# Allegro board 1140022-KU060_PCIE_FIBER_BOARD_V001_pcb166_20240120_1835_pcb.brd (continued)
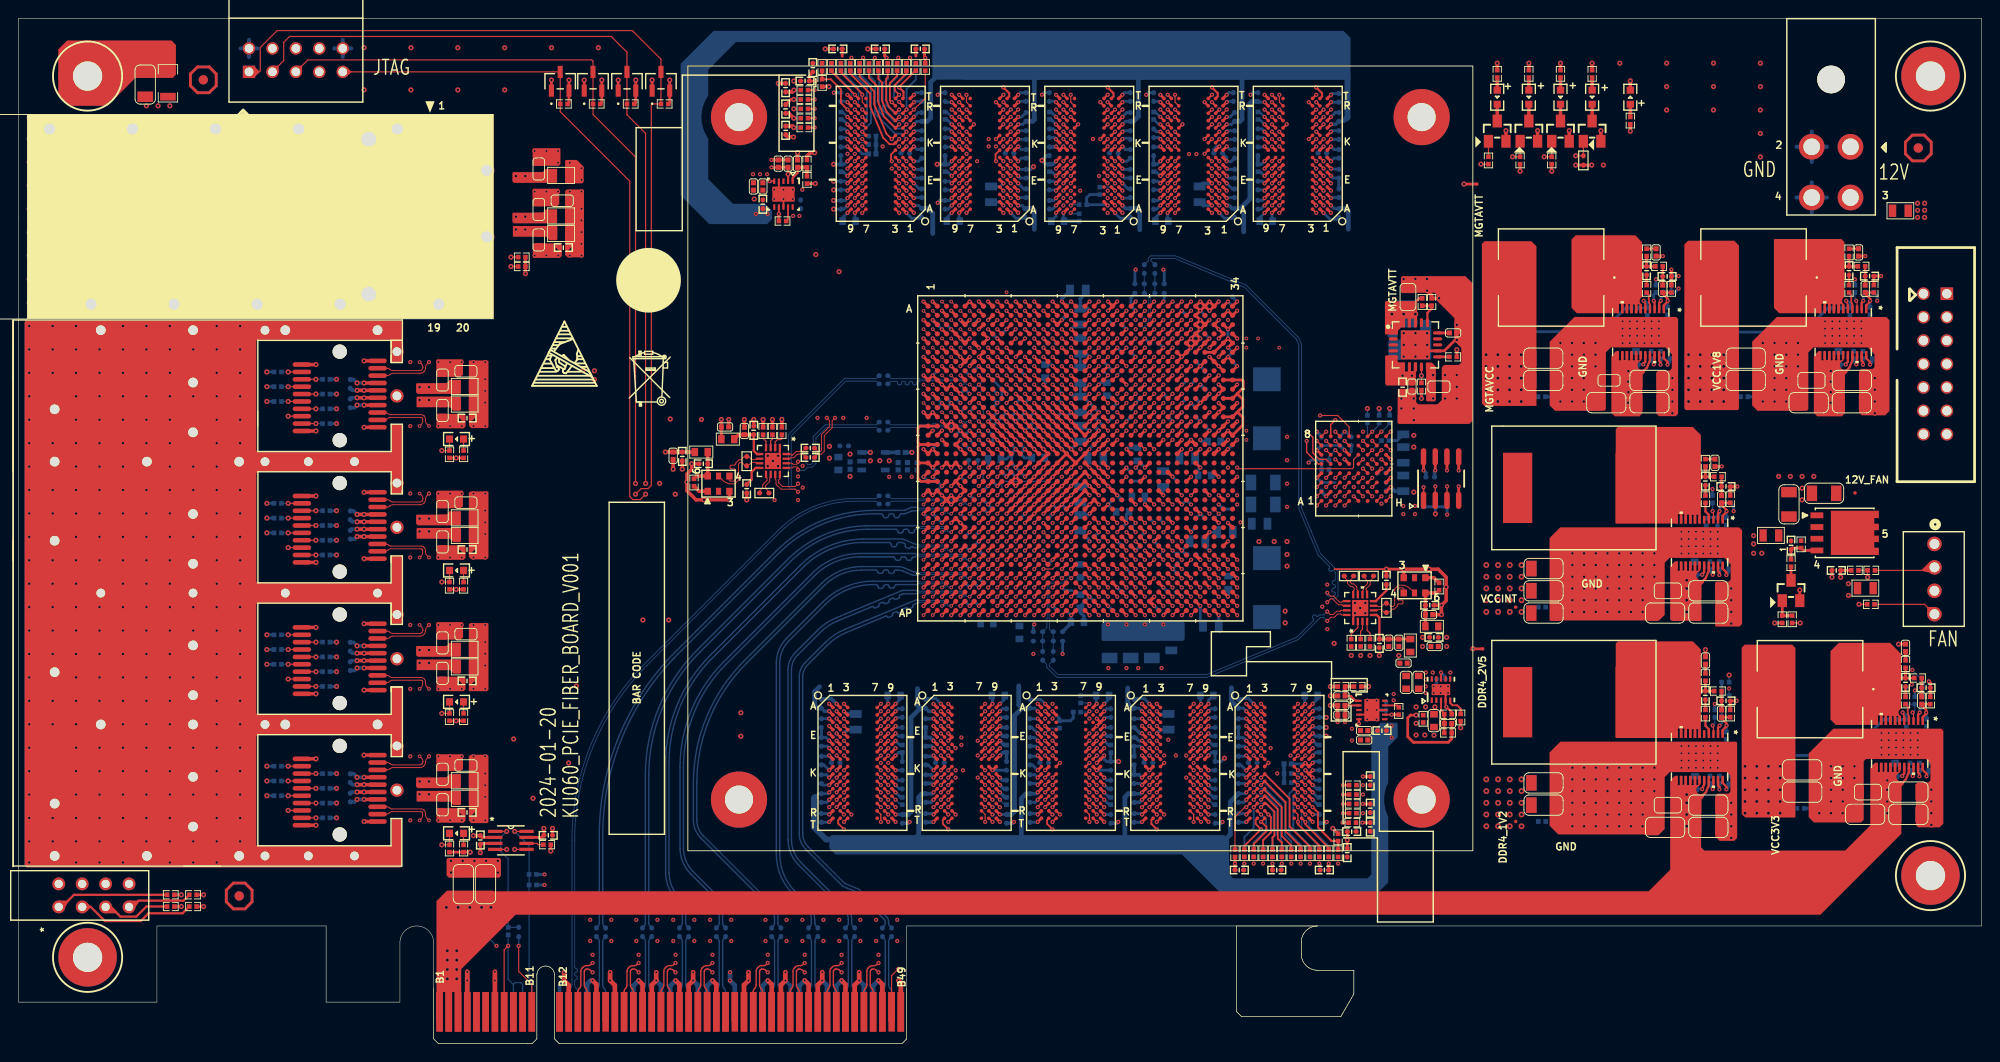
[diagram p0: board, top side]
## Routing (per net, layer and track width the routed paths; a pad name or vN(x,y) marks a point on that pad's centre or on a via; arc(x,y) is an arc through that point) (continued)
CHA_FPGA_DDR4_C1_D56: length 18.7
  TOP w0.201: U1.AN31 v1(129.11,47.45) ; U7.A3 v1(134.7,36.83)
  ART05 w0.137: v1(129.11,47.45) 129.11,47.42 129.54,46.99 129.54,46.43 131.57,44.4 131.57,41.57 131.71,41.43 132.53,41.43 132.66,41.29 132.66,41.02 132.53,40.88 131.71,40.88 131.57,40.75 131.57,40.39 131.88,40.08 132.08,40.08 132.21,40.21 132.41,40.21 132.6,40.02 132.6,39.82 132.46,39.69 132.46,39.49 132.66,39.3 132.85,39.3 132.99,39.44 133.18,39.44 133.38,39.24 133.38,39.05 133.24,38.91 133.24,38.72 133.43,38.52 133.63,38.52 133.76,38.66 133.96,38.66 134.15,38.47 134.15,38.27 134.02,38.14 134.02,37.94 134.25,37.71 134.44,37.71 134.59,37.85 134.78,37.85 134.98,37.66 134.98,37.47 134.82,37.3 134.82,36.95 v1(134.7,36.83)
CHA_FPGA_DDR4_C1_D57: length 20.1
  TOP w0.201: U1.AM32 v1(130.11,48.45) ; U7.B8 v1(139.5,36.03)
  ART05 w0.137: v1(139.5,36.03) 139.5,36.25 139.9,36.65 139.9,38.94 136.58,42.26 135.85,44.03 135.67,44.1 135.34,43.96 135.16,44.04 135.06,44.29 135.13,44.47 135.46,44.61 135.53,44.79 134.85,46.43 133.27,48.01 130.56,48.01 130.11,48.45 v1(130.11,48.45)
CHA_FPGA_DDR4_C1_D58: length 18.8
  TOP w0.201: U7.C3 v1(134.7,35.23) ; U1.AN32 v1(130.11,47.45)
  ART05 w0.137: v1(134.7,35.23) 135.78,35.23 135.92,35.37 135.92,36.13 136.05,36.27 136.46,36.27 136.6,36.41 136.6,36.68 136.46,36.82 136.05,36.82 135.92,36.96 135.92,37.39 133.2,40.11 133.2,41.83 132.93,42.1 132.74,42.1 132.63,41.99 132.43,41.99 132.24,42.18 132.24,42.38 132.35,42.49 132.35,42.68 132.11,42.93 132.11,44.55 130.56,46.1 130.56,47.31 130.42,47.45 v1(130.11,47.45)
CHA_FPGA_DDR4_C1_D59: length 20.5
  TOP w0.201: U1.AN33 v1(131.11,47.45) ; U7.C7 v1(138.7,35.23)
  ART05 w0.137: v1(138.7,35.23) 138.26,34.8 136.92,34.8 136.78,34.94 136.78,35.27 136.92,35.41 138.04,35.41 138.18,35.54 138.18,36.83 137.69,37.31 137.26,37.31 134.16,40.41 134.16,42.24 132.99,43.41 132.99,44.93 131.57,46.35 131.57,47.24 131.36,47.45 v1(131.11,47.45)
CHA_FPGA_DDR4_C1_D60: length 17.7
  TOP w0.201: U1.AP31 v1(129.11,46.45) ; U7.C2 v1(133.9,35.23)
  ART05 w0.137: v1(133.9,35.23) 134.3,35.63 134.3,37.05 132.93,38.42 132.73,38.42 132.31,37.99 132.11,37.99 131.92,38.19 131.92,38.38 132.35,38.81 132.35,39 132.15,39.2 131.96,39.2 131.53,38.77 131.34,38.77 131.14,38.96 131.14,39.16 131.57,39.58 131.57,39.78 131.11,40.23 131.11,44.22 129.11,46.23 v1(129.11,46.45)
CHA_FPGA_DDR4_C1_D61: length 19.9
  TOP w0.201: U1.AM34 v1(132.11,48.45) ; U7.C8 v1(139.5,35.23)
  ART05 w0.137: v1(132.11,48.45) 133.44,48.45 135.92,45.97 136.25,45.16 136.18,44.98 136.04,44.92 135.97,44.74 136.07,44.49 136.25,44.41 136.36,44.46 136.58,44.37 137.53,42.07 140.39,39.22 140.39,37.57 140.84,37.11 140.84,36.6 140.67,36.43 140.19,36.43 140.19,36.43 140.13,36.43 139.9,36.2 139.9,36.14 139.9,36.14 139.9,35.78 139.5,35.38 v1(139.5,35.23)
CHA_FPGA_DDR4_C1_D62: length 19.1
  TOP w0.201: U1.AP33 v1(131.11,46.45) ; U7.D3 v1(134.7,34.43)
  ART05 w0.137: v1(134.7,34.43) 136.11,34.43 136.35,34.67 136.35,35.73 136.48,35.86 137.64,35.86 137.74,35.97 137.74,36.63 137.58,36.79 137.12,36.79 133.68,40.23 133.68,42 132.56,43.12 132.56,44.71 131.11,46.16 v1(131.11,46.45)
CHA_FPGA_DDR4_C1_D63: length 21.7
  TOP w0.201: U1.AL34 v1(132.11,49.45) ; U7.D7 v1(138.7,34.43)
  ART05 w0.137: v1(132.11,49.45) 133.84,48.73 136.2,46.37 137.82,42.47 140.81,39.48 141.3,37 141.3,36.56 140.66,35.03 140.53,34.89 140.39,34.83 139.38,34.83 138.97,34.61 v1(138.7,34.43)
CHA_FPGA_DDR4_C1_D64: length 56.8
  TOP w0.201: U6.G2 v1(111.29,32.03) ; U1.AF17 v1(114.11,54.45)
  ART10 w0.137: v1(114.11,54.45) 113.75,54.45 113.61,54.31 113.61,54.13 113.44,53.95 112.09,53.95 111.99,53.85 111.99,53.52 112.09,53.42 112.39,53.42 112.85,52.96 114.44,52.96 114.58,53.1 114.58,54.27 114.72,54.41 114.98,54.41 115.11,54.27 115.11,53.24 115.24,53.11 115.43,53.11 115.62,53.29 115.62,53.84 115.75,53.98 120.32,53.98 120.62,53.67 120.62,53.12 120.76,52.98 121.48,52.98 121.62,53.12 121.62,53.75 121.84,53.98 124.48,53.98 124.61,53.84 124.61,52.06 124.45,51.9 123.63,51.9 123.49,51.76 123.49,51.48 123.63,51.35 124.45,51.35 124.61,51.19 124.61,45.21 124.16,44.76 123.97,44.76 123.57,45.16 123.22,45.16 122.13,44.07 120.55,43.02 118.11,42.01 113.31,37.21 113.08,37.21 113.04,37.25 112.82,37.25 112.52,36.96 112.52,35.81 112.34,35.63 110.26,35.63 110.08,35.46 110.08,32.84 109.86,32.29 109.86,32 110.23,31.63 111.16,31.63 111.29,31.77 v1(111.29,32.03)
CHA_FPGA_DDR4_C1_D65: length 57
  TOP w0.201: U1.AE18 v1(116.11,56.45) ; U6.F7 v1(116.09,32.83)
  ART10 w0.137: v1(116.11,56.45) 116.24,56.45 117.12,57.33 125.45,57.33 126.54,56.24 127.61,56.24 128.21,55.64 128.21,55.08 130,53.29 130,53.01 129.67,52.68 129.67,46.08 130.02,45.72 130.02,45.63 129.58,44.57 124.21,39.19 120.65,39.19 120.51,39.06 120.51,38.69 120.33,38.52 120.14,38.52 119.96,38.69 119.96,39.06 119.82,39.19 119.61,39.19 119.1,38.69 119.1,38.49 119.47,38.13 119.47,37.94 119.28,37.74 119.08,37.74 118.72,38.1 118.53,38.1 118.39,37.96 118.39,37.5 118.53,37.36 119.55,37.36 119.68,37.22 119.68,36.95 119.55,36.81 118.32,36.81 118.19,36.67 118.19,36.4 118.32,36.26 119.52,36.26 119.66,36.12 119.66,35.85 119.52,35.71 118.32,35.71 118.16,35.55 118.16,35.33 118.32,35.16 119.38,35.16 119.51,35.04 119.51,34.77 119.38,34.65 118.37,34.65 118.24,34.51 118.24,34.16 118.11,34.03 116.73,34.03 116.49,33.8 116.49,33.44 116.09,33.03 v1(116.09,32.83)
CHA_FPGA_DDR4_C1_D66: length 56.8
  TOP w0.201: U1.AF18 v1(116.11,55.45) ; U6.H3 v1(112.09,31.23)
  ART10 w0.137: v1(116.11,55.45) 116.11,55.13 116.25,54.99 123.71,54.99 123.87,54.83 123.87,54.57 124.03,54.41 124.25,54.41 124.41,54.57 124.41,54.83 124.58,54.99 125.37,54.99 125.65,54.71 125.65,51.11 125.79,50.98 126.48,50.98 126.62,50.84 126.62,46.14 126.48,46 126.25,46 126.11,45.86 126.11,45.75 125.95,45.59 125.72,45.59 125.56,45.75 125.56,45.84 125.4,46 125.21,46 125.07,45.86 125.07,44.91 124.49,44.32 123.99,44.32 123.78,44.12 123.44,44.12 123.23,44.32 123.01,44.32 122.63,43.94 122.63,43.4 122.98,43.05 122.98,42.82 122.82,42.66 122.59,42.66 122.12,43.13 121.92,43.13 121.72,43.05 121.61,42.8 121.28,42.66 121.03,42.77 118.37,41.66 117.18,40.47 117.18,40.06 116.99,39.88 116.58,39.88 116.4,39.69 116.4,39.28 116.21,39.1 115.81,39.1 115.62,38.91 115.62,38.51 115.44,38.32 115.03,38.32 114.08,37.37 114.08,37.14 114.6,36.62 114.6,36.39 114.44,36.23 114.21,36.23 113.69,36.75 113.46,36.75 112.94,36.23 112.94,35.7 112.57,35.33 112.57,34.95 112.7,34.83 112.92,34.83 113.04,34.94 113.27,34.94 113.43,34.78 113.43,34.55 113.31,34.44 113.31,34.21 114.25,33.27 114.25,33.08 114.03,32.85 113.75,32.85 113.31,33.3 113.08,33.3 112.9,33.12 112.68,33.12 112.52,33.28 112.52,33.51 112.69,33.69 112.69,34.07 112.14,34.62 111.84,34.62 111.69,34.48 111.69,31.37 111.83,31.23 v1(112.09,31.23)
CHA_FPGA_DDR4_C1_D67: length 55.6
  TOP w0.127: U1.AF14 v1(111.11,55.45)
  TOP w0.201: U6.H7 v1(116.09,31.23)
  ART10 w0.137: v1(111.11,55.45) 111.46,55.69 111.73,55.87 112.07,56.01 114.27,56.01 114.69,56.42 115.2,57.19 116,57.99 125.91,57.99 126.9,57 127.77,57 128.58,56.66 129.53,55.71 130.28,54.59 130.58,54.39 131.36,53.22 131.6,52.65 131.6,46.42 131.06,45.11 130.42,44.17 124.66,38.4 122.19,38.4 120.95,37.89 120.52,37.47 120.52,34.54 118.75,32.78 117.92,32.43 117.5,32.43 117.29,32.22 117.29,31.85 117.08,31.63 116.54,31.63 116.46,31.6 v1(116.09,31.23)
CHA_FPGA_DDR4_C1_D68: length 56
  TOP w0.127: U1.AF15 v1(112.11,54.45)
  TOP w0.201: U6.H2 v1(111.29,31.23)
  ART10 w0.137: v1(111.29,31.23) 111.29,30.76 111.39,30.66 112.32,30.66 112.42,30.56 112.42,29.98 112.28,29.84 111.81,29.84 111.53,30.12 110.26,30.12 109.97,30.42 109.97,31.31 109.8,31.47 109.58,31.47 109.42,31.31 109.42,30.54 109.26,30.38 108.97,30.38 108.81,30.53 108.81,30.98 109.7,33.13 109.7,35.61 109.94,36.18 110.19,36.43 111.54,36.43 111.69,36.58 111.69,37.12 111.78,37.21 113.3,37.84 117.85,42.38 120.42,43.45 121.73,44.32 123.57,46.17 123.57,50.67 123.11,51.13 123.11,51.79 122.94,51.97 122.72,51.97 122.58,51.83 122.58,51.06 122.44,50.93 121.74,50.93 121.64,51.03 121.64,51.77 121.44,51.97 119.89,51.97 119.37,52.49 118.99,52.49 118.83,52.65 118.83,52.87 118.67,53.04 118.45,53.04 118.29,52.87 118.29,52.65 118.12,52.49 117.82,52.49 117.35,52.96 116.84,52.96 116.32,52.44 114.8,52.44 114.3,51.94 112.68,51.94 112.55,52.08 112.55,52.6 112.14,53.01 111.79,53.01 111.61,53.19 111.61,54.31 111.75,54.45 v1(112.11,54.45)
CHA_FPGA_DDR4_C1_D69: length 58.6
  TOP w0.201: U6.H8 v1(116.89,31.23) ; U1.AD16 v1(113.11,56.45)
  ART10 w0.137: v1(116.89,31.23) 117.11,31.23 117.51,31.63 117.84,31.63 118.45,31.88 120.95,34.39 120.95,37.34 121.16,37.55 122.07,37.92 124.84,37.92 132.12,45.2 132.72,46.64 132.72,52.76 131.71,55.18 130.66,56.23 130.61,56.36 130.61,56.74 130.4,56.95 129.74,56.95 129.57,57.12 129.57,57.66 128.27,58.95 125.41,58.95 125.27,59.09 125.27,59.4 125.14,59.54 124.86,59.54 124.73,59.4 124.73,59.09 124.59,58.95 123.77,58.95 123.63,59.09 123.63,59.35 123.49,59.49 123.22,59.49 123.08,59.35 123.08,59.09 122.94,58.95 122.67,58.95 122.53,59.09 122.53,59.35 122.39,59.49 122.12,59.49 121.98,59.35 121.98,59.09 121.85,58.95 121.57,58.95 121.42,59.11 120.9,59.11 120.75,58.95 115.93,58.95 114.6,57.63 114.6,57.33 114.3,57.02 113.68,57.02 v1(113.11,56.45)
CHA_FPGA_DDR4_C1_D70: length 56.7
  TOP w0.201: U6.J3 v1(112.89,30.43) ; U1.AE17 v1(114.11,55.45)
  ART10 w0.137: v1(112.89,30.43) 113.4,29.92 115.21,29.92 115.65,30.35 115.65,32.23 115.85,32.43 116.26,32.43 116.49,32.67 116.49,32.67 116.49,32.67 116.49,33 116.73,33.23 118.6,33.23 120.09,34.72 120.09,37.67 120.69,38.27 121.94,38.79 124.41,38.79 129.94,44.32 130.29,44.85 130.68,45.78 130.68,50.08 130.82,50.21 131.05,50.21 131.19,50.35 131.19,50.62 131.05,50.76 130.82,50.76 130.68,50.9 130.68,52.84 130.44,53.43 128.57,55.3 128.57,55.86 127.97,56.46 127.54,56.64 126.67,56.64 125.7,57.61 116.87,57.61 116.15,56.9 115.8,56.9 114.35,55.45 v1(114.11,55.45)
CHA_FPGA_DDR4_C1_D71: length 58.6
  TOP w0.201: U1.AD15 v1(113.11,57.45) ; U6.J7 v1(116.09,30.43)
  ART10 w0.137: v1(116.09,30.43) 116.34,30.68 116.7,30.83 117.81,30.83 118.14,30.97 121.34,34.16 121.34,36.98 121.67,37.32 121.96,37.44 125.02,37.44 132.47,44.89 133.22,46.71 133.22,53.15 131.88,56.38 130.25,58.01 129.77,58.01 128.24,59.54 127.21,59.97 115.9,59.97 115.57,59.64 115.25,58.86 114.4,58.01 113.61,58.01 113.11,57.51 v1(113.11,57.45)
CHA_FPGA_DDR4_C1_DM0: length 54.6
  TOP w0.201: U3.E7 v1(93.49,33.63) ; U1.AD21 v1(119.11,56.45)
  ART12 w0.137: v1(119.11,56.45) 119.5,56.45 119.63,56.31 119.63,53.34 118.77,52.48 117.78,52.48 117.27,51.97 115.69,51.97 115.53,52.13 115.53,52.21 115.37,52.37 115.15,52.37 114.99,52.21 114.99,52.13 114.82,51.97 113.87,51.97 113.61,51.71 113.61,51.21 113.33,50.93 112.95,50.93 112.65,50.62 112.65,47.17 112.42,46.94 111.84,46.94 111.58,46.69 111.58,46.15 111.32,45.89 111.32,45.66 111.43,45.54 111.43,45.32 111.27,45.16 111.05,45.16 110.93,45.27 110.7,45.27 110.43,45 110.2,44.95 106.74,44.95 103.59,43.65 102.76,42.81 102.53,42.81 102.4,42.94 102.17,42.94 102.01,42.78 102.01,42.55 102.14,42.43 102.14,42.2 101.98,42.04 101.75,42.04 101.63,42.17 101.4,42.17 101.24,42 101.24,41.78 101.37,41.65 101.37,41.42 100.97,41.03 100.34,40.77 99.82,40.77 99.66,40.93 99.66,41.29 99.5,41.45 99.27,41.45 99.11,41.29 99.11,40.93 98.95,40.77 98.72,40.77 98.56,40.93 98.56,41.29 98.4,41.45 98.17,41.45 98.01,41.29 98.01,40.93 97.85,40.77 97.62,40.77 97.46,40.93 97.46,41.29 97.3,41.45 97.07,41.45 96.91,41.29 96.91,40.93 96.75,40.77 96.53,40.77 96.37,40.93 96.37,41.26 96.23,41.4 95.95,41.4 95.82,41.26 95.82,40.93 95.66,40.77 95.3,40.77 93.47,38.94 93.47,38.7 93.31,38.54 93.02,38.54 92.86,38.38 92.86,38.15 93.02,37.99 93.31,37.99 93.47,37.83 93.47,37.54 93.34,37.41 92.14,37.41 92,37.28 92,37 92.14,36.86 92.68,36.86 92.84,36.7 92.84,34.87 92.51,34.54 92.51,34 92.97,33.53 93.38,33.53 v1(93.49,33.63)
CHA_FPGA_DDR4_C1_DM1: length 57.5
  TOP w0.201: U1.AE25 v1(123.11,55.45) ; U3.E2 v1(88.69,33.63)
  ART03 w0.137: v1(123.11,55.45) 123.68,55.22 124.04,54.97 124.31,54.86 124.6,54.57 124.74,54.24 124.94,54.04 125.24,53.91 125.38,53.82 125.66,53.39 125.72,53.25 125.93,53.04 126.31,52.88 126.48,52.72 126.62,52.38 126.62,44.17 125.94,42.53 124.4,40.23 118.8,34.62 118.13,34.18 117.78,34.03 98.77,34.03 97.12,33.7 96.92,33.65 95.24,33.23 91.67,33.23 89.75,34.03 89.31,34.03 89.24,34 v1(88.69,33.63)
CHA_FPGA_DDR4_C1_DM2: length 38.5
  TOP w0.201: U4.E7 v1(104.79,33.63) ; U1.AJ21 v1(119.11,51.45)
  ART10 w0.137: v1(104.79,33.63) 103.95,33.63 103.81,33.77 103.81,37.88 103.65,38.04 102.83,38.04 102.67,38.2 102.67,38.43 102.83,38.59 103.65,38.59 103.81,38.75 103.81,38.98 103.65,39.14 102.83,39.14 102.67,39.3 102.67,39.53 102.83,39.69 103.65,39.69 103.81,39.85 103.81,40.08 103.65,40.24 102.83,40.24 102.67,40.4 102.67,40.63 102.83,40.79 103.65,40.79 103.81,40.95 103.81,42.06 105.59,43.84 113.74,43.84 115.62,45.72 115.62,49.71 115.85,49.94 118.64,49.94 119.11,50.4 v1(119.11,51.45)
CHA_FPGA_DDR4_C1_DM3: length 34.1
  TOP w0.201: U4.E2 v1(99.99,33.63) ; U1.AM21 v1(119.11,48.45)
  ART12 w0.137: v1(119.11,48.45) 119.11,48.19 118.9,47.98 117.93,47.98 117.58,47.62 117.58,47.22 117.32,46.96 116.97,46.96 116.61,46.61 116.61,45.87 116.46,45.72 115.95,45.72 112.97,42.74 112.39,42.74 112.22,42.58 112.22,42.32 112.06,42.16 111.84,42.16 111.68,42.32 111.68,42.58 111.52,42.74 111.29,42.74 111.13,42.58 111.13,42.32 110.97,42.16 110.74,42.16 110.58,42.32 110.58,42.58 110.42,42.74 108.15,42.74 106.63,41.22 104.8,41.22 101.33,37.76 101.33,36.57 101.2,36.43 98.79,36.43 98.2,35.84 98.2,34.29 98.46,34.03 99.59,34.03 v1(99.99,33.63)
CHA_FPGA_DDR4_C1_DM4: length 33.6
  TOP w0.201: U1.AH26 v1(124.11,52.45) ; U5.E7 v1(127.39,33.63)
  ART12 w0.137: v1(124.11,52.45) 123.65,51.99 123.65,51.66 124.28,51.03 126.34,51.03 126.54,51.23 127.71,51.23 128.98,49.96 129.35,49.96 129.54,49.77 129.54,46.3 130.05,45.8 130.05,45.62 130.21,45.46 130.5,45.46 130.66,45.3 130.66,45.07 130.5,44.91 130.21,44.91 130.05,44.75 130.05,44.52 130.21,44.36 130.5,44.36 130.66,44.2 130.66,43.97 130.5,43.81 130.21,43.81 130.05,43.65 130.05,43.42 130.21,43.26 130.5,43.26 130.66,43.1 130.66,42.87 130.5,42.71 130.21,42.71 130.05,42.55 130.05,42.32 130.21,42.16 130.5,42.16 130.66,42 130.66,41.78 130.5,41.62 130.21,41.62 130.05,41.45 130.05,41.17 130.21,41.01 130.47,41.01 130.63,40.84 130.63,40.62 130.47,40.46 130.21,40.46 130.05,40.3 130.05,39.9 130.35,39.6 130.35,39.35 130.05,39.05 130.05,36.8 129.83,36.58 129.63,36.58 129.49,36.73 129.49,37.24 129.34,37.39 128.02,37.39 127.8,37.17 127.8,33.77 127.66,33.63 v1(127.39,33.63)
CHA_FPGA_DDR4_C1_DM5: length 19.3
  TOP w0.201: U5.E2 v1(122.6,33.63) ; U1.AN26 v1(124.11,47.45)
  ART05 w0.137: v1(122.6,33.63) 122.63,33.63 122.99,33.99 122.99,34.7 123.12,34.83 124.16,34.83 124.59,35.26 124.59,37.74 124.49,37.85 124.49,40.87 123.09,42.27 123.09,44.27 123.23,44.41 123.97,44.41 124.1,44.55 124.1,44.82 123.97,44.96 123.23,44.96 123.09,45.1 123.09,45.67 123.57,46.15 123.57,46.76 124.11,47.3 v1(124.11,47.45)
CHA_FPGA_DDR4_C1_DM6: length 30.2
  TOP w0.201: U7.E7 v1(138.7,33.63) ; U1.AJ29 v1(127.11,52.45)
  ART03 w0.137: v1(127.11,52.45) 127.33,52.58 127.8,52.79 128.26,52.93 128.8,52.98 128.95,52.98 129.29,53.05 129.49,53.13 130.1,53.75 133.99,53.75 136.58,51.15 136.73,50.79 136.73,43.25 138.25,39.57 138.25,34.3 v1(138.7,33.63)
CHA_FPGA_DDR4_C1_DM7: length 21.2
  TOP w0.201: U7.E2 v1(133.9,33.63) ; U1.AL32 v1(130.11,49.45)
  ART05 w0.137: v1(133.9,33.63) 133.5,34.03 133.5,37.06 133.1,37.47 132,37.47 130.66,38.81 130.66,44.04 128.65,46.05 128.65,48.21 128.94,48.5 129.13,48.5 129.27,48.36 129.46,48.36 129.66,48.56 129.66,48.75 129.52,48.89 129.52,49.08 129.89,49.45 v1(130.11,49.45)
CHA_FPGA_DDR4_C1_DM8: length 57.8
  TOP w0.201: U1.AD19 v1(117.11,56.45) ; U6.E7 v1(116.09,33.63)
  ART10 w0.137: v1(116.09,33.63) 116.09,34.66 116.26,34.83 117.15,34.83 117.29,34.97 117.29,37.66 119.3,39.67 120.31,39.67 120.48,39.84 120.48,40.07 120.64,40.23 120.86,40.23 121.02,40.07 121.02,39.84 121.18,39.67 121.72,39.67 121.88,39.84 121.88,40.71 122.03,40.86 122.23,40.86 122.38,40.71 122.38,39.84 122.52,39.7 122.77,39.7 122.9,39.84 122.9,40.12 123.07,40.28 123.29,40.28 123.45,40.12 123.45,39.84 123.61,39.67 124.03,39.67 124.56,40.21 124.56,40.43 124.56,40.44 124.56,40.66 124.72,40.82 124.95,40.82 124.95,40.82 125.18,40.82 125.41,41.05 125.41,41.25 125,41.65 125,41.84 125.2,42.04 125.39,42.04 125.8,41.63 125.99,41.63 126.26,41.91 126.26,42.13 126.02,42.38 126.02,42.6 126.18,42.76 126.41,42.76 126.65,42.52 126.87,42.52 127.15,42.79 127.15,42.99 126.59,43.54 126.59,43.74 126.78,43.93 126.98,43.93 127.53,43.37 127.73,43.37 127.95,43.6 127.95,43.83 127.89,43.89 127.89,44.12 128.05,44.28 128.28,44.28 128.34,44.22 128.57,44.22 129.03,44.67 129.29,45.3 129.29,45.62 128.65,46.25 128.65,48.08 128.81,48.24 129.07,48.24 129.24,48.41 129.24,48.63 129.07,48.79 128.81,48.79 128.65,48.95 128.65,50.11 128.51,50.25 128.25,50.25 128.12,50.38 128.12,50.66 128.25,50.79 128.51,50.79 128.65,50.93 128.65,52.83 128.51,52.97 127.39,52.97 127.23,53.13 127.23,53.36 127.39,53.52 128.36,53.52 128.65,53.81 128.65,54.08 128.3,54.43 128.07,54.43 127.66,54.02 127.43,54.02 127.27,54.18 127.27,54.41 127.68,54.82 127.68,55.61 127.41,55.88 126.39,55.88 125.37,56.9 117.25,56.9 117.11,56.76 v1(117.11,56.45)
CHA_FPGA_DDR4_C1_DQS0_N: length 50.6
  TOP w0.142: U1.AH21 v1(118.11,53.45)
  TOP w0.145: U3.F3 v1(89.49,32.83)
  ART12 w0.102: 109.52,46.12 109.55,46.12 109.61,46.06 110.31,46.06 110.51,46.25 110.51,49.82 110.74,50.05 111.37,50.05 111.51,50.19 111.51,51.09 112.5,52.09 112.5,52.74 112.82,53.05 118.35,53.05 118.51,53.21 118.51,53.35 118.4,53.45 v1(118.11,53.45)
  ART12 w0.14: v1(89.49,32.83) 89.68,32.64 91.75,32.64 91.89,32.78 91.89,33.21 91.53,33.58 90.33,33.58 89.99,33.91 89.99,34.74 90.33,35.07 91.47,35.07 91.7,35.29 91.7,35.68 91.47,35.91 90.35,35.91 90.02,36.24 90.02,36.86 95.6,42.44 100.27,42.44 102.02,44.19 106.27,45.95 109.22,45.95 109.39,46.12 109.52,46.12
CHA_FPGA_DDR4_C1_DQS0_P: length 51.2
  TOP w0.145: U3.G3 v1(89.49,32.03) ; U1.AG21 v1(119.11,53.45)
  ART12 w0.102: v1(119.11,53.45) 118.81,53.45 118.71,53.35 118.71,53.12 118.44,52.85 112.9,52.85 112.71,52.65 112.71,52 111.71,51 111.71,50.11 111.45,49.85 110.82,49.85 110.71,49.73 110.71,46.17 110.39,45.85 109.61,45.85 109.55,45.79 109.52,45.79
  ART12 w0.14: 109.52,45.79 109.36,45.62 106.33,45.62 102.2,43.91 100.41,42.11 95.73,42.11 90.35,36.73 90.35,36.38 90.49,36.24 91.61,36.24 92.02,35.82 92.02,35.16 91.61,34.74 90.46,34.74 90.32,34.6 90.32,34.04 90.46,33.9 91.66,33.9 92.22,33.35 92.22,32.64 91.89,32.31 91.2,32.31 90.97,32.08 90.64,32.08 90.41,32.31 89.77,32.31 v1(89.49,32.03)
CHA_FPGA_DDR4_C1_DQS1_N: length 55.9
  TOP w0.145: U3.A7 v1(93.49,36.83)
  TOP w0.173: U1.AJ25 v1(123.11,52.45)
  ART03 w0.102: 120.92,45.09 120.92,45.11 120.85,45.17 120.85,45.9 120.71,46.04 120.71,51.71 120.84,51.85 122.49,51.85 122.71,52.07 122.71,52.35 122.81,52.45 v1(123.11,52.45)
  ART03 w0.14: 120.92,45.09 120.92,44.72 115.95,39.75 109.77,39.75 109.63,39.61 109.63,39.3 109.3,38.96 108.47,38.96 108.13,39.3 108.13,39.61 107.99,39.75 107.32,39.75 107.18,39.61 107.18,38.96 106.85,38.63 106.02,38.63 105.69,38.96 105.69,39.61 105.55,39.75 104.99,39.75 104.85,39.61 104.85,38.96 104.52,38.63 103.69,38.63 103.35,38.96 103.35,39.61 103.21,39.75 102.66,39.75 102.52,39.61 102.52,38.96 102.18,38.63 101.35,38.63 101.02,38.96 101.02,39.61 100.88,39.75 100.32,39.75 100.18,39.61 100.18,38.96 99.85,38.63 99.02,38.63 98.69,38.96 98.69,39.61 98.55,39.75 97.99,39.75 97.85,39.61 97.85,38.96 97.52,38.63 96.69,38.63 96.36,38.96 96.36,39.61 96.22,39.75 95.66,39.75 95.52,39.61 95.52,38.96 95.19,38.63 94.36,38.63 94.03,38.96 94.03,39.61 93.89,39.75 93.35,39.75 92.91,39.31 92.91,36.74 93.05,36.6 93.25,36.6 v1(93.49,36.83)
CHA_FPGA_DDR4_C1_DQS1_P: length 57
  TOP w0.145: U3.B7 v1(93.49,36.03)
  TOP w0.173: U1.AH24 v1(122.11,52.45)
  ART03 w0.102: v1(122.11,52.45) 122.4,52.45 122.51,52.35 122.51,52.15 122.4,52.05 120.76,52.05 120.5,51.8 120.5,45.96 120.65,45.81 120.65,45.17 120.59,45.11 120.59,45.09
  ART03 w0.14: v1(93.49,36.03) 93.25,36.27 92.92,36.27 92.59,36.6 92.59,36.85 92.45,36.99 92.29,36.99 92.15,37.13 92.15,37.41 92.29,37.55 92.45,37.55 92.59,37.69 92.59,39.45 93.22,40.08 94.02,40.08 94.35,39.75 94.35,39.1 94.49,38.96 95.05,38.96 95.19,39.1 95.19,39.75 95.52,40.08 96.35,40.08 96.69,39.75 96.69,39.1 96.83,38.96 97.38,38.96 97.52,39.1 97.52,39.75 97.86,40.08 98.69,40.08 99.02,39.75 99.02,39.1 99.16,38.96 99.72,38.96 99.86,39.1 99.86,39.75 100.19,40.08 101.02,40.08 101.35,39.75 101.35,39.1 101.49,38.96 102.05,38.96 102.19,39.1 102.19,39.75 102.52,40.08 103.35,40.08 103.68,39.75 103.68,39.1 103.82,38.96 104.38,38.96 104.52,39.1 104.52,39.75 104.85,40.08 105.68,40.08 106.01,39.75 106.01,39.1 106.15,38.96 106.71,38.96 106.85,39.1 106.85,39.75 107.18,40.08 108.13,40.08 108.46,39.75 108.46,39.43 108.6,39.29 109.16,39.29 109.3,39.43 109.3,39.75 109.63,40.08 115.82,40.08 120.59,44.85 120.59,45.09
CHA_FPGA_DDR4_C1_DQS2_N: length 36.9
  TOP w0.145: v1(101.59,32.03) U4.F3 ; v1(118.11,50.45) U1.AK20
  ART10 w0.102: 115.73,50.79 115.75,50.79 115.82,50.85 118.01,50.85 118.11,50.75 v1(118.11,50.45)
  ART10 w0.14: 115.73,50.79 115.53,50.79 114.63,49.89 114.63,49.16 114.96,48.82 114.96,46.13 113.39,44.55 105.31,44.55 101.71,40.95 101.71,37.73 101.95,37.48 102.38,37.48 102.72,37.15 102.72,36.32 102.38,35.99 101.95,35.99 101.71,35.74 101.71,35.4 101.95,35.15 102.61,35.15 102.94,34.82 102.94,33.99 102.61,33.66 101.95,33.66 101.71,33.41 101.71,32.15 v1(101.59,32.03)
CHA_FPGA_DDR4_C1_DQS2_P: length 37.6
  TOP w0.145: v1(100.79,32.03) U4.G3 ; v1(118.11,51.45) U1.AJ20
  ART10 w0.102: 115.73,51.12 115.75,51.12 115.82,51.05 118.01,51.05 118.11,51.15 v1(118.11,51.45)
  ART10 w0.14: 115.73,51.12 115.39,51.12 114.3,50.02 114.3,49.02 114.63,48.69 114.63,46.26 113.25,44.88 105.17,44.88 101.38,41.09 101.38,37.59 101.82,37.15 102.25,37.15 102.39,37.01 102.39,36.46 102.25,36.32 101.82,36.32 101.38,35.88 101.38,35.26 101.82,34.82 102.48,34.82 102.62,34.68 102.62,34.12 102.48,33.98 101.82,33.98 101.38,33.55 101.38,32.62 v1(100.79,32.03)
CHA_FPGA_DDR4_C1_DQS3_N: length 34.1
  TOP w0.145: v1(104.79,36.83) U4.A7 ; v1(119.11,46.45) U1.AP21
  ART12 w0.14: v1(119.11,46.45) 118.88,46.45 118.74,46.31 118.74,46 118.95,45.8 118.95,44.14 117.96,43.15 117.27,43.15 116.57,43.85 116.16,43.85 115.47,43.15 115.47,41.96 114.15,40.64 113.1,40.64 112.96,40.5 112.96,39.37 112.63,39.04 111.8,39.04 111.47,39.37 111.47,40.47 111.22,40.72 110.88,40.72 110.63,40.47 110.63,39.42 110.3,39.09 109.47,39.09 109.14,39.42 109.14,40.72 108.89,40.97 108.54,40.97 108.3,40.72 108.3,40.16 107.84,39.7 105.36,39.7 104.85,39.19 104.85,38.85 105.11,38.59 105.11,37.98 104.67,37.54 104.05,37.54 103.8,37.79 103.45,37.79 102.95,37.29 102.95,36.93 103.23,36.65 103.49,36.65 103.63,36.79 103.63,36.87 103.77,37.01 104.05,37.01 104.19,36.87 104.19,36.79 104.33,36.65 104.6,36.65 v1(104.79,36.83)
CHA_FPGA_DDR4_C1_DQS3_P: length 34.1
  TOP w0.145: v1(118.11,46.45) U1.AP20 ; v1(104.79,36.03) U4.B7
  ART12 w0.14: v1(118.11,46.45) 118.42,46.14 118.42,45.86 118.62,45.66 118.62,44.27 117.82,43.48 117.41,43.48 116.71,44.18 116.03,44.18 115.14,43.29 115.14,42.1 114.01,40.97 112.96,40.97 112.63,40.64 112.63,39.51 112.49,39.37 111.94,39.37 111.8,39.51 111.8,40.61 111.36,41.04 110.74,41.04 110.3,40.61 110.3,39.56 110.16,39.42 109.6,39.42 109.46,39.56 109.46,40.86 109.03,41.3 108.41,41.3 107.97,40.86 107.97,40.29 107.7,40.03 105.22,40.03 104.53,39.33 104.53,38.71 104.78,38.46 104.78,38.11 104.53,37.87 104.19,37.87 103.93,38.12 103.31,38.12 102.62,37.42 102.62,36.8 103.1,36.32 104.5,36.32 v1(104.79,36.03)
CHA_FPGA_DDR4_C1_DQS4_N: length 30.1
  TOP w0.145: v1(126.11,49.45) U1.AL28 ; U5.F3 v1(123.4,32.83)
  ART12 w0.102: v1(126.11,49.45) 125.81,49.45 125.71,49.55 125.71,49.7 125.86,49.85 127.28,49.85 127.51,49.62 127.51,46.12 127.45,46.06 127.45,46.04
  ART12 w0.14: v1(123.4,32.83) 123.66,32.56 124.09,32.56 124.42,32.23 125.44,32.23 125.73,32.52 125.73,33.21 125.4,33.54 124.47,33.54 124.03,33.98 124.03,34.6 124.47,35.04 125.61,35.04 125.86,35.28 125.86,35.63 125.61,35.88 124.47,35.88 124.03,36.31 124.03,36.93 124.47,37.37 125.36,37.37 127.89,39.9 127.89,45.05 127.45,45.5 127.45,46.04
CHA_FPGA_DDR4_C1_DQS4_P: length 31.3
  TOP w0.145: v1(125.11,49.45) U1.AL27 ; U5.G3 v1(123.4,32.03)
  ART12 w0.102: 127.77,46.04 127.77,46.06 127.71,46.12 127.71,49.71 127.36,50.06 125.78,50.06 125.51,49.78 125.51,49.55 125.4,49.45 v1(125.11,49.45)
  ART12 w0.14: v1(123.4,32.03) 123.6,32.24 123.95,32.24 124.28,31.9 125.58,31.9 126.06,32.39 126.06,33.35 125.54,33.87 124.6,33.87 124.36,34.12 124.36,34.46 124.6,34.71 125.75,34.71 126.18,35.15 126.18,35.77 125.75,36.2 124.6,36.2 124.36,36.45 124.36,36.8 124.6,37.04 125.5,37.04 128.22,39.76 128.22,45.19 127.77,45.63 127.77,46.04
CHA_FPGA_DDR4_C1_DQS5_N: length 18.6
  TOP w0.142: U1.AP30 v1(127.11,46.45)
  TOP w0.145: U5.A7 v1(127.4,36.83)
  ART05 w0.14: v1(127.11,46.45) 127.11,46.65 127.25,46.79 127.42,46.79 127.56,46.65 127.56,45.36 129.59,43.33 129.59,42.52 129.45,42.38 128.6,42.38 128.27,42.04 128.27,41.21 128.6,40.88 129.45,40.88 129.59,40.74 129.59,40.18 129.45,40.04 128.6,40.04 128.27,39.71 128.27,38.88 128.6,38.55 129.45,38.55 129.59,38.41 129.59,37.9 129.4,37.71 127.93,37.71 127.49,37.26 127.49,36.92 v1(127.4,36.83)
